# KiCad board PingDevKit-copy.kicad_pcb
title: Sonar Development Board
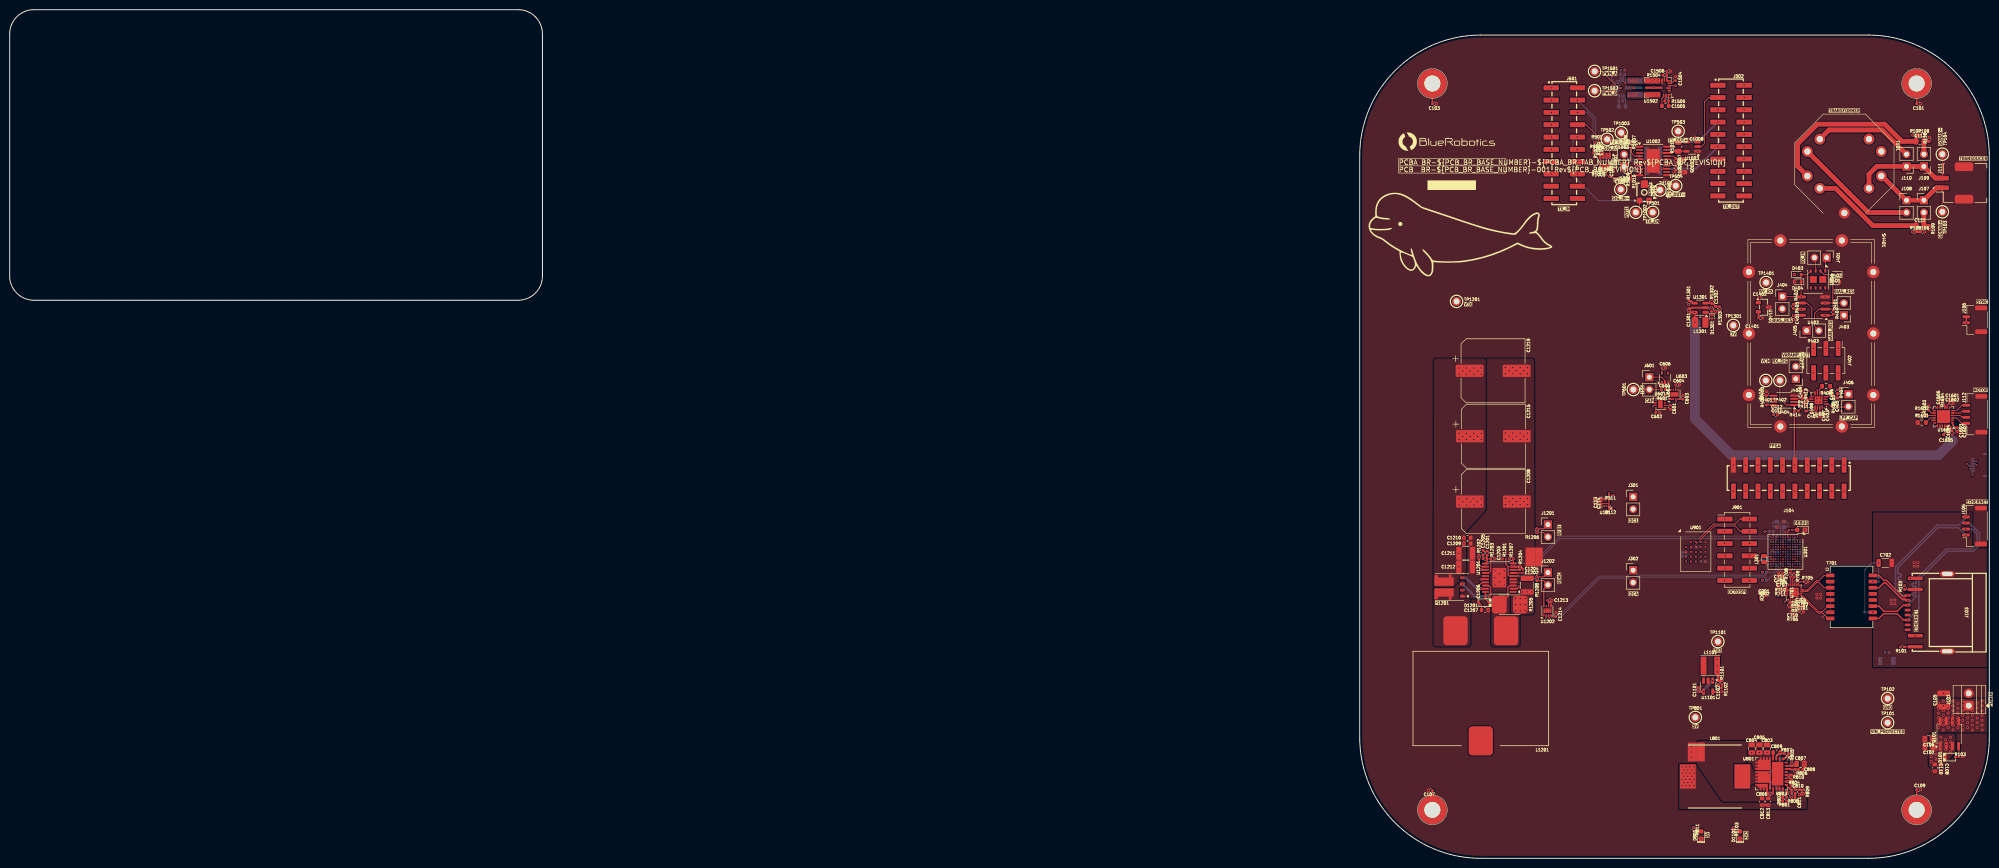
[diagram p0: board, top side]
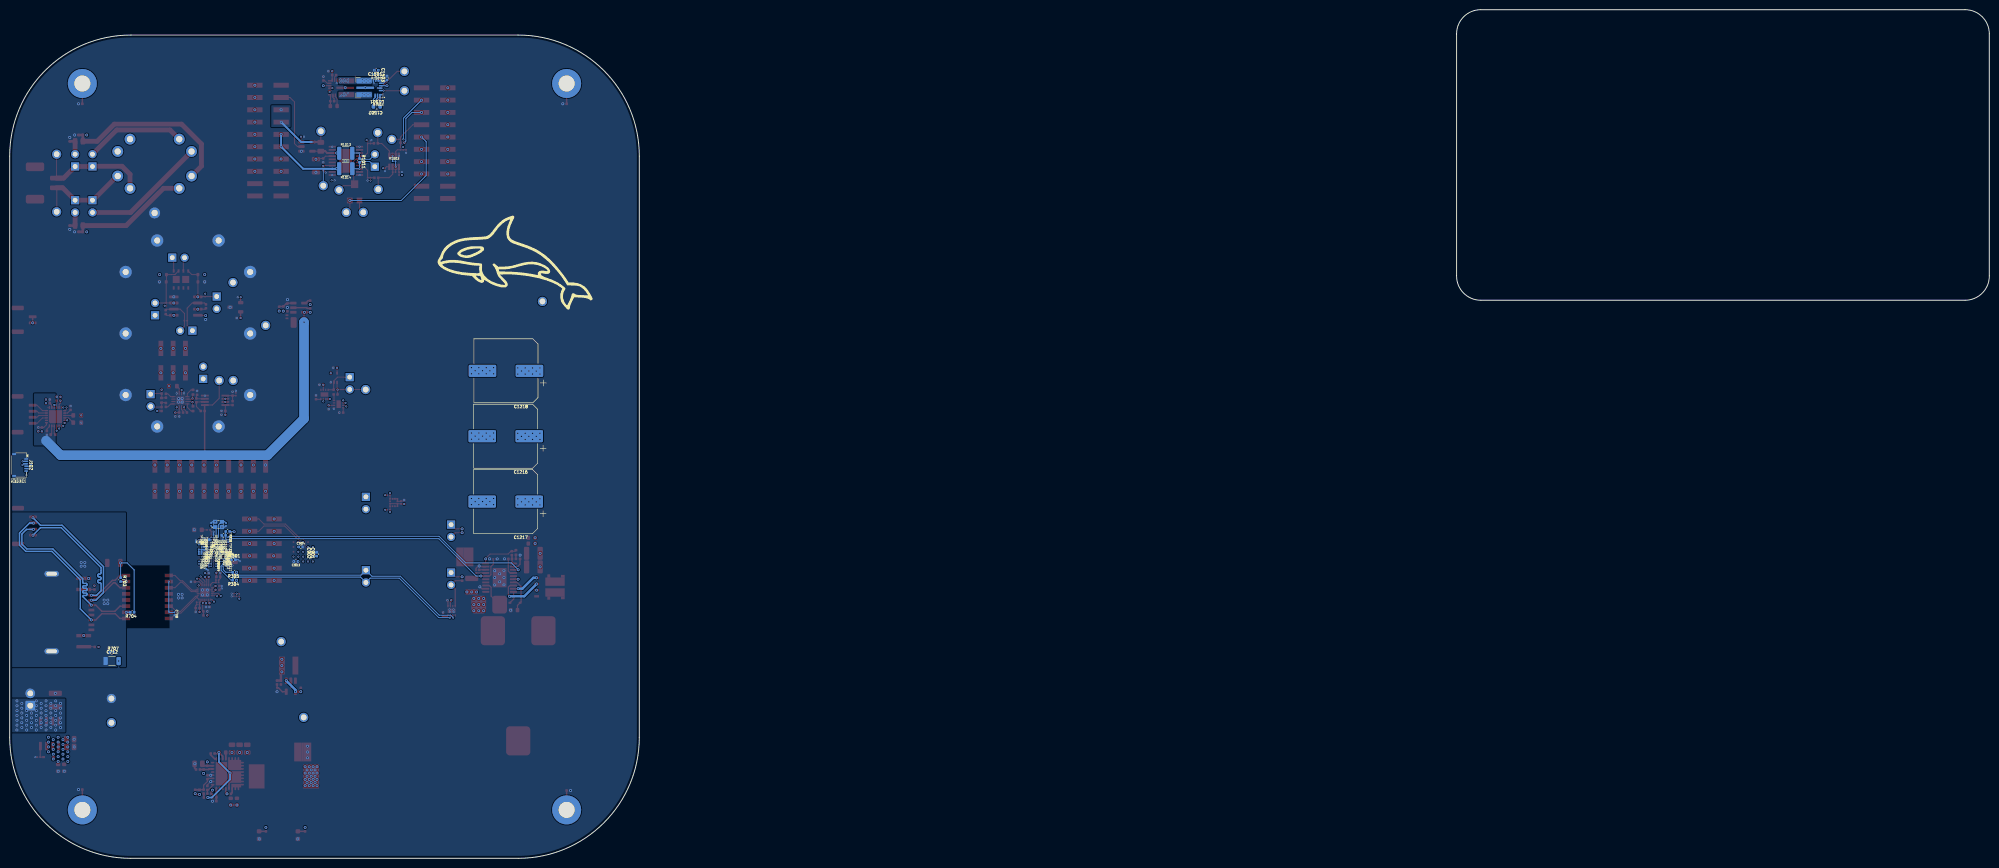
[diagram p1: board, bottom side, seen from below]

Outline 408.75 x 175.24 mm; copper layers: Top, PWR.Cu (plane), signal1.Cu, signal2.Cu, signal3.Cu, signal4.Cu, GND.Cu (plane), Bottom. Coordinates in mm from the lower left corner of the outline.
Outline path: 0,170.24 arc(1.46,173.77) 5,175.24 105,175.24 arc(108.54,173.77) 110,170.24 110,120.24 arc(108.54,116.7) 105,115.24 5,115.24 arc(1.46,116.7) 0,120.25 0,170.24 ; 278.75,145 278.75,25 arc(286.07,7.32) 303.75,0 383.75,0 arc(401.43,7.32) 408.75,25 408.75,144.98 arc(401.43,162.68) 383.75,170 303.75,170 arc(286.07,162.68) 278.75,145
Stack: Top 0.035mm / dielectric 0.218mm FR4-7628*1 er 4.4 / dielectric 0.203mm FR4-7628*1 er 4.4 / PWR.Cu 0.03mm / dielectric 0.075mm FR4 er 4.6 / signal1.Cu 0.03mm / dielectric 0.069mm FR4-1080*1 er 3.91 / dielectric 0.069mm FR4-1080*1 er 3.91 / signal2.Cu 0.03mm / dielectric 0.075mm FR4 er 4.6 / signal3.Cu 0.03mm / dielectric 0.069mm FR4-1080*1 er 3.91 / dielectric 0.069mm FR4-1080*1 er 3.91 / signal4.Cu 0.03mm / dielectric 0.075mm FR4 er 4.6 / GND.Cu 0.035mm / dielectric 0.203mm FR4-7628*1 er 4.4 / dielectric 0.218mm FR4-7628*1 er 4.4 / Bottom 0.035mm

## Placement (name value [footprint] x y rotation side)
C101  100nF 50V  [C_0402_1005Metric-minimized]  394.15 155.8 0 top
C102  2u2F 100V  [C_0805_2012Metric-minimized]  396.25 23 180 top
C103  100nF 50V  [C_0402_1005Metric-minimized]  294.15 155.8 0 top
C104  100nF 25V  [C_0201_0603Metric-minimized]  365.2 63.45 270 bottom
C105  10uF 100V  [C_1210_3225Metric]  399.32 32.68 90 top
C106  2u2F 100V  [C_0805_2012Metric-minimized]  396.25 24.6 180 top
C107  100nF 50V  [C_0402_1005Metric-minimized]  293.35 14 180 top
C108  220nF 100V  [C_0603_1608Metric-minimized]  398.75 18.7 270 top
C109  100nF 50V  [C_0402_1005Metric-minimized]  394.15 14.2 0 top
C110  220nF 100V  [C_0603_1608Metric-minimized]  397.5 18.7 270 top
C111  470nF 100V  [C_0805_2012Metric-minimized]  394.44 130.66 0 top
C112  470nF 100V  [C_0805_2012Metric-minimized]  394.44 148.06 0 top
C113  100nF 25V  [C_0201_0603Metric-minimized]  327.95 73.49 90 top
C114  1uF 50V  [C_0402_1005Metric-minimized]  327.3 73.58 270 top
C201  100nF 25V  [C_0201_0603Metric-minimized]  362.21 54.65 0 top
C301  10uF 10V  [C_0402_1005Metric-minimized]  362.55 61.64 180 bottom
C302  6pF 50V  [C_0201_0603Metric-minimized]  367.17 68.95 90 bottom
C303  10uF 10V  [C_0402_1005Metric-minimized]  364.57 66.68 0 bottom
C304  100nF 25V  [C_0201_0603Metric-minimized]  364.43 65.84 0 bottom
C305  4u7F 6V3  [C_0201_0603Metric-minimized]  363.92 61.79 0 bottom
C306  100nF 25V  [C_0201_0603Metric-minimized]  368.6 64.01 90 bottom
C307  6pF 50V  [C_0201_0603Metric-minimized]  364.07 68.95 270 bottom
C308  4u7F 6V3  [C_0201_0603Metric-minimized]  369.42 64.79 180 bottom
C309  100nF 25V  [C_0201_0603Metric-minimized]  366.15 65.51 270 bottom
C310  4u7F 6V3  [C_0201_0603Metric-minimized]  363.9 61.29 0 bottom
C311  100nF 25V  [C_0201_0603Metric-minimized]  369.35 61.3 180 bottom
C312  100nF 25V  [C_0201_0603Metric-minimized]  370 65.29 0 bottom
C313  10uF 10V  [C_0402_1005Metric-minimized]  367.95 65.79 180 bottom
C314  100nF 25V  [C_0201_0603Metric-minimized]  369.42 63.79 180 bottom
C315  100nF 25V  [C_0201_0603Metric-minimized]  369.15 66.06 270 bottom
C316  100pF 50V  [C_0201_0603Metric-minimized]  363.32 62.29 180 bottom
C317  100nF 25V  [C_0201_0603Metric-minimized]  363.37 60.79 180 bottom
C318  100nF 25V  [C_0201_0603Metric-minimized]  363.98 63.3 0 bottom
C319  100nF 25V  [C_0201_0603Metric-minimized]  363.9 65.29 0 bottom
C320  100nF 25V  [C_0201_0603Metric-minimized]  365.65 60.54 90 bottom
C321  100nF 25V  [C_0201_0603Metric-minimized]  366.65 66.53 90 bottom
C322  100nF 25V  [C_0201_0603Metric-minimized]  369.42 63.29 180 bottom
C323  100nF 25V  [C_0201_0603Metric-minimized]  369.42 62.79 180 bottom
C324  100nF 25V  [C_0201_0603Metric-minimized]  367.65 60.54 90 bottom
C325  100nF 25V  [C_0201_0603Metric-minimized]  368.15 60.02 270 bottom
C401  100nF 100V  [C_0402_1005Metric-minimized]  368.28 111.67 270 top
C402  200pF 50V  [C_0402_1005Metric]  377.4 94.57 90 top
C403  1uF 10V  [C_0402_1005Metric-minimized]  374.55 91.65 270 top
C404  47nF 50V  [C_0402_1005Metric-minimized]  372.55 92.05 180 top
C405  15nF  [C_0402_1005Metric-minimized]  376.5 93.62 270 top
C406  15nF  [C_0402_1005Metric-minimized]  376.5 95.52 90 top
C407  100nF 50V  [C_0402_1005Metric-minimized]  373.75 91.65 270 top
C408  3.9pF 50V  [C_0402_1005Metric]  370.9 92.84 270 top
C409  3.9pF 50V  [C_0402_1005Metric]  370.9 96.25 90 top
C410  1uF 16V  [C_0201_0603Metric-minimized]  362.05 95.83 90 top
C411  1uF 10V  [C_0402_1005Metric-minimized]  364.62 91.6 0 top
C412  100nF 50V  [C_0402_1005Metric-minimized]  364.62 92.4 0 top
C601  100nF 50V  [C_0402_1005Metric-minimized]  342.89 93.14 270 top
C602  4u7F 10V  [C_0402_1005Metric-minimized]  340.29 92.04 180 top
C603  4u7F 10V  [C_0402_1005Metric-minimized]  345.5 95.19 270 top
C604  100nF 50V  [C_0402_1005Metric-minimized]  344.4 97.79 0 top
C605  330nF 16V  [C_0402_1005Metric-minimized]  341.45 96.79 0 top
C606  100nF 50V  [C_0402_1005Metric-minimized]  341.55 101.29 0 top
C701  10uF 10V  [C_0402_1005Metric-minimized]  369.95 50.89 0 top
C702  1nF 2kV  [C_1206_3216Metric-minimized]  387.25 61 0 top
C703  1uF 10V  [C_0402_1005Metric-minimized]  369.95 51.69 0 top
C704  100nF 25V  [C_0201_0603Metric-minimized]  369.85 52.89 0 top
C705  10nF 25V  [C_0201_0603Metric-minimized]  369.85 52.39 0 top
C706  10nF 25V  [C_0201_0603Metric-minimized]  365.89 57.45 180 top
C707  100nF 25V  [C_0201_0603Metric-minimized]  365.89 56.95 180 top
C708  100nF 25V  [C_0201_0603Metric-minimized]  374.75 50.5 270 bottom
C709  1uF 10V  [C_0402_1005Metric-minimized]  365.67 58.15 180 top
C710  1uF 10V  [C_0402_1005Metric-minimized]  368.35 50.99 180 top
C711  10uF 10V  [C_0402_1005Metric-minimized]  365.67 58.95 180 top
C712  1nF 2kV  [C_1206_3216Metric-minimized]  387.6 40.75 180 bottom
C803  2u2F 100V  [C_0805_2012Metric-minimized]  362.85 22.65 90 top
C804  2u2F 100V  [C_0805_2012Metric-minimized]  359.7 22.65 90 top
C805  2u2F 100V  [C_0805_2012Metric-minimized]  361.28 22.65 90 top
C806  4u7F 10V  [C_0402_1005Metric-minimized]  363.48 13.31 180 top
C807  1uF 100V  [C_0805_2012Metric-minimized]  369.77 19.51 0 top
C808  2u2F 10V  [C_0402_1005Metric-minimized]  369.87 18.34 0 top
C809  100nF 100V  [C_0603_1608Metric-minimized]  364.85 21.85 0 top
C810  100nF 100V  [C_0402_1005Metric-minimized]  368.71 13.78 90 top
C811  4n7F 100V  [C_0402_1005Metric]  369.55 13.67 90 top
C812  10uF 10V  [C_0603_1608Metric-minimized]  361.83 11.7 90 top
C813  10uF 10V  [C_0603_1608Metric-minimized]  363.1 11.7 90 top
C901  1uF 10V  [C_0402_1005Metric-minimized]  345.35 62.79 90 bottom
C902  100nF 50V  [C_0402_1005Metric-minimized]  346.15 62.79 90 bottom
C903  100nF 50V  [C_0402_1005Metric-minimized]  349.65 61.29 0 bottom
C904  100nF 50V  [C_0402_1005Metric-minimized]  348.65 64.29 180 bottom
C1001  100nF 25V  [C_0201_0603Metric-minimized]  328.05 146.58 270 top
C1002  100nF 25V  [C_0201_0603Metric-minimized]  331.25 142.2 90 top
C1003  100nF 100V  [C_0402_1005Metric-minimized]  333.15 147.64 180 top
C1004  100nF 100V  [C_0402_1005Metric-minimized]  333.05 140.54 180 top
C1005  4u7F 100V  [C_1206_3216Metric-minimized]  345.51 143.02 270 top
C1006  100nF 100V  [C_0402_1005Metric-minimized]  344.01 142.52 270 top
C1007  100nF 100V  [C_0402_1005Metric-minimized]  344.01 144.12 270 top
C1008  100nF 25V  [C_0201_0603Metric-minimized]  348.3 149.02 180 top
C1101  10uF 10V  [C_0402_1005Metric-minimized]  348.65 34.8 90 top
C1102  10uF 10V  [C_0402_1005Metric-minimized]  352.75 36.3 270 top
C1201  10nF 50V  [C_0402_1005Metric-minimized]  305.07 63 90 top
C1202  10uF 100V  [C_1210_3225Metric]  313.35 56.4 90 top
C1203  470nF 16V  [C_0402_1005Metric-minimized]  306.19 61.84 180 top
C1204  100nF 25V  [C_0201_0603Metric-minimized]  312.46 59.22 270 top
C1205  22nF 50V  [C_0402_1005Metric]  304.23 63.14 90 top
C1206  1uF 50V  [C_0402_1005Metric-minimized]  305.09 54.05 180 top
C1207  10uF 16V  [C_0603_1608Metric-minimized]  304.6 51.25 0 top
C1208  220uF 100V  [C_Elec_12.5x12.5]  306.33 73.66 0 top
C1209  100nF 100V  [C_0603_1608Metric-minimized]  300.97 64.99 180 top
C1210  100nF 100V  [C_0603_1608Metric-minimized]  300.97 66.19 0 top
C1211  10uF 100V  [C_1210_3225Metric]  300.63 62.98 0 top
C1212  10uF 100V  [C_1210_3225Metric]  300.63 60.18 0 top
C1213  100nF 50V  [C_0402_1005Metric-minimized]  317.98 53.28 0 top
C1214  4u7F 10V  [C_0402_1005Metric-minimized]  319.27 50.36 90 top
C1215  220uF 100V  [C_Elec_12.5x12.5]  306.33 87.16 0 top
C1216  220uF 100V  [C_Elec_12.5x12.5]  306.33 87.16 0 bottom
C1217  220uF 100V  [C_Elec_12.5x12.5]  306.33 73.66 0 bottom
C1218  220uF 100V  [C_Elec_12.5x12.5]  306.28 100.66 0 bottom
C1219  220uF 100V  [C_Elec_12.5x12.5]  306.28 100.66 0 top
C1301  2u2F 10V  [C_0402_1005Metric-minimized]  346.7 113.15 90 top
C1302  330pF 50V  [C_0402_1005Metric]  352.25 113.48 270 top
C1303  10uF 10V  [C_0402_1005Metric-minimized]  351.4 113.35 90 top
C1401  330nF 16V  [C_0402_1005Metric-minimized]  361.48 111.57 0 top
C1402  100nF 25V  [C_0201_0603Metric-minimized]  361.36 115.87 0 top
C1501  1uF 10V  [C_0402_1005Metric-minimized]  333.05 162.74 0 bottom
C1502  100nF 100V  [C_0603_1608Metric-minimized]  332.95 155.24 0 bottom
C1503  100nF 50V  [C_0402_1005Metric-minimized]  330.84 161.12 90 bottom
C1504  100nF 50V  [C_0402_1005Metric-minimized]  343.97 161.02 90 top
C1505  100nF 100V  [C_0603_1608Metric-minimized]  341.85 155.34 0 top
C1506  1uF 10V  [C_0402_1005Metric-minimized]  342.55 162.54 0 top
C1601  2u2F 10V  [C_0402_1005Metric-minimized]  400.87 94.75 0 top
C1602  10nF 50V  [C_0402_1005Metric-minimized]  400.87 93.97 0 top
C1603  10nF 50V  [C_0402_1005Metric-minimized]  402.09 88.57 270 top
C1604  220nF 25V  [C_0402_1005Metric-minimized]  401.08 87.85 90 top
C1605  22nF 50V  [C_0402_1005Metric]  399.8 87.5 180 top
C1606  1uF 10V  [C_0402_1005Metric-minimized]  399.04 94.9 90 top
C1607  2u2F 10V  [C_0402_1005Metric-minimized]  402.84 88.57 270 top
D101  10V  [D_SOD-323]  400.7 20.9 0 top
D301  DEBUG  [LED_0603_1608Metric]  369.87 67.83 180 top
D401  RB520S-30  [D_SOD-523]  377.08 120.54 180 top
D402  RB520S-30  [D_SOD-523]  377.13 119.04 0 top
D403  RB520S-30  [D_SOD-523]  369.18 120.54 0 top
D404  RB520S-30  [D_SOD-523]  369.18 119.04 180 top
D801  5V  [LED_0603_1608Metric]  349.25 4.79 90 top
D1101  3V3  [LED_0603_1608Metric]  357.25 4.79 90 top
D1201  BAS20H  [D_SOD-323]  304.41 52.77 180 top
D1301  PMEG3010AESB  [D_SOD-993-minimized]  351.5 111.83 270 top
G***  -  [LOGO]  299.51 128.98 0 top
G***#2  -  [LOGO]  304.45 122.9 0 top
GL101  ~  [BR_Logo_BIG]  296.75 148 0 top
GL102  ~  [JLC_Number]  297.75 139 0 top
H101  -  [M3_Clearance_Plated_6mm]  393.75 160 0 top
H102  -  [M3_Clearance_Plated_6mm]  293.75 160 0 top
H103  -  [M3_Clearance_Plated_6mm]  293.75 10 0 top
H104  -  [M3_Clearance_Plated_6mm]  393.75 10 0 top
J101  POWER  [KF128-2.54-2P]  404.5 31.53 90 top
J102  DEBUG  [TE_2328702-6_1x06-1MP_P0.5mm_Horizontal]  406.84 81.22 270 bottom
J103  ETHERNET  [RJ45-TH_RC01812]  395.98 50.75 270 top
J104  FPGA  [HDR-SMD_20P-P2.54-V-M-R2-C10-S7.5]  367.34 78.51 180 top
J105  ETHERNET  [SM04B-GHS-TB]  406.18 68.62 90 top
J106  SYNC  [SM02B-GHS-TB]  406.25 111.2 90 top
J107  SONAR+  [PinHeader_1x02_P2.54mm_Vertical]  395.24 135.9 0 top
J108  SONAR+  [PinHeader_1x02_P2.54mm_Vertical]  391.66 135.9 0 top
J109  SONAR-  [PinHeader_1x02_P2.54mm_Vertical]  395.24 142.86 180 top
J110  SONAR-  [PinHeader_1x02_P2.54mm_Vertical]  391.66 142.86 180 top
J111  TRANSDUCER  [SM02B-PASS-TBT]  403.77 139.46 90 top
J112  MOTOR  [SM04B-GHS-TB]  406.27 91.7 90 top
J301  I2C1  [PinHeader_1x02_P2.54mm_Vertical]  335.2 74.64 0 top
J302  I2C4  [PinHeader_1x02_P2.54mm_Vertical]  335.2 59.5 0 top
J401  RX_IN  [PinHeader_1x02_P2.54mm_Vertical]  375.18 124.04 270 top
J402  PREAMP  [PinHeader_2x03_P2.54mm_Vertical_SMD]  375 102.77 270 top
J403  BIAS_RES  [PinHeader_1x02_P2.54mm_Vertical]  378.73 112.13 180 top
J404  BIAS_RES  [PinHeader_1x02_P2.54mm_Vertical]  366.01 116.01 0 top
J405  GAIN_RES  [PinHeader_1x02_P2.54mm_Vertical]  371.02 108.96 90 top
J406  LPF_CAP  [PinHeader_1x02_P2.54mm_Vertical]  379.65 95.85 0 top
J407  VARAMP_OUT  [PinHeader_1x02_P2.54mm_Vertical]  368.8 99 180 top
J501  TX_IN  [HDR-SMD_20P-P2.54-V-M-R2-C10-S7.5]  321 147.67 270 top
J502  TX_OUT  [HDR-SMD_20P-P2.54-V-M-R2-C10-S7.5]  355.42 148.21 270 top
J601  CAP  [PinHeader_1x02_P2.54mm_Vertical]  338.55 99.36 0 top
J901  OCTOSPI  [PinHeader_2x06_P2.54mm_Vertical_SMD]  356.68 63.72 0 top
J1001  TX_OUT_GAIN  [PinHeader_1x02_P2.54mm_Vertical]  333.35 142.82 180 top
J1201  RFBT  [PinHeader_1x02_P2.54mm_Vertical]  317.62 68.9 0 top
J1202  RDAC  [PinHeader_1x02_P2.54mm_Vertical]  317.62 59 0 top
L301  2u2H 2.2A  [LMSC20120652R2MTA]  362.25 61.79 90 top
L801  10uH 10A  [XR1265-100M]  352.12 16.9 180 top
L1101  2u2 2.2A  [L_Taiyo-Yuden_NR-4018]  351.15 39.8 0 top
L1201  10uH 30A  [FC-SE2918-100M-28A]  303.75 33 180 top
L1301  4u7 1.6A  [L_1008_2520Metric]  349.05 110.65 0 top
NT801  NetTie-2_0.18mm  [NetTie-2_SMD_Pad_3.88mm_wide]  349.25 21.95 270 top
NT1101  NetTie-2_0.18mm  [NetTie-2_SMD_Pad_0.18mm_wide]  350.7 35.2 270 top
NT1201  Net_Tie_0201  [NetTie-2_SMD_Pad_3.88mm_wide]  313.77 62.24 90 top
NT1501  NetTie-2_0.18mm  [NetTie-2_SMD_Pad_0.18mm_wide_long]  337.4 161.44 90 top
NT1601  NetTie-2_0.18mm  [NetTie-2_SMD_Pad_0.18mm_wide]  400.85 93.1 0 top
PCB101  Unpopulated PCB  [BR_NUMS]  297.75 143 0 top
Q101  DMP6023LSS-13  [SO-8_3.9x4.9mm_P1.27mm]  400.5 25.75 90 top
Q1201  SQJ974EP  [PowerPAK_SO-8_Dual]  297.28 56.01 180 top
R101  1k  [C_0402_1005Metric-minimized]  390.8 43.65 180 top
R102  1k  [C_0402_1005Metric-minimized]  391.25 55.9 90 top
R103  47k  [R_0201_0603Metric-minimized]  402.75 20.9 0 top
R104  10k  [R_0201_0603Metric-minimized]  364.38 63.8 0 bottom
R105  100k  [C_0402_1005Metric-minimized]  393.24 129.36 0 top
R106  100k  [C_0402_1005Metric-minimized]  394.94 129.36 0 top
R107  100k  [C_0402_1005Metric-minimized]  393.24 149.36 0 top
R108  100k  [C_0402_1005Metric-minimized]  394.94 149.36 0 top
R109  100k  [C_0402_1005Metric-minimized]  396.34 130.26 270 top
R110  100k  [C_0402_1005Metric-minimized]  396.34 148.46 90 top
R111  10k  [R_0201_0603Metric-minimized]  330.53 74.98 180 top
R112  10k  [R_0201_0603Metric-minimized]  330.53 71.98 180 top
R201  47k  [R_0201_0603Metric-minimized]  361.34 54.32 270 top
R202  3k  [R_0201_0603Metric-minimized]  362.21 54.1 0 top
R301  10R  [R_0402_1005Metric-minimized]  363.75 67.5 0 bottom
R302  10k  [R_0201_0603Metric-minimized]  368.1 64.03 270 bottom
R303  3k  [R_0201_0603Metric-minimized]  367.7 67.83 0 top
R304  10k  [C_0402_1005Metric-minimized]  362.3 57.43 0 bottom
R305  10k  [C_0402_1005Metric-minimized]  362.3 59.08 0 bottom
R401  100R  [C_0201_0603Metric-minimized]  376.43 114.4 270 top
R402  100R  [C_0201_0603Metric-minimized]  368.38 116.29 270 top
R403  100R  [C_0201_0603Metric-minimized]  372.38 111.04 180 top
R404  470R  [C_0402_1005Metric-minimized]  376.53 112.79 270 top
R405  470R  [C_0402_1005Metric-minimized]  368.23 113.99 270 top
R406  75R  [C_0402_1005Metric-minimized]  377.39 92.77 90 top
R407  75R  [C_0402_1005Metric-minimized]  377.39 96.37 270 top
R408  0R  [R_0603_1608Metric]  375.05 97.5 180 top
R409  1k  [C_0402_1005Metric-minimized]  362.72 94 90 top
R410  1k  [C_0402_1005Metric-minimized]  362.72 95.95 90 top
R411  1k  [C_0402_1005Metric-minimized]  370.6 94.17 180 top
R412  1k  [C_0402_1005Metric-minimized]  370.6 94.97 180 top
R413  2k  [C_0402_1005Metric-minimized]  370.05 96.12 270 top
R414  2k  [C_0402_1005Metric-minimized]  368.89 92.37 180 top
R501  20k  [R_0201_0603Metric-minimized]  327.77 148.47 0 top
R502  2k  [C_0402_1005Metric-minimized]  327.65 147.77 180 top
R601  100k  [C_0402_1005Metric-minimized]  341.45 95.79 180 top
R701  2k49  [C_0402_1005Metric-minimized]  368.2 52.29 270 top
R702  2k49  [C_0402_1005Metric-minimized]  367.5 52.29 270 top
R703  75R  [C_0402_1005Metric-minimized]  385.85 57.55 270 bottom
R704  75R  [C_0402_1005Metric-minimized]  383.45 50.8 0 bottom
R705  6k49  [C_0402_1005Metric-minimized]  370.92 57.11 0 top
R706  30k  [C_0402_1005Metric-minimized]  368.35 50.15 180 top
R707  1M  [C_0402_1005Metric-minimized]  387.65 42.5 180 bottom
R708  2k49  [C_0402_1005Metric-minimized]  367.65 58.49 90 top
R709  2k49  [C_0402_1005Metric-minimized]  368.4 58.5 270 top
R710  2k49  [C_0402_1005Metric-minimized]  365.85 56.23 180 top
R711  2k49  [C_0402_1005Metric-minimized]  365.85 55.43 180 top
R801  20k  [C_0402_1005Metric-minimized]  366.47 12.6 180 top
R802  10k  [C_0402_1005Metric-minimized]  366.47 11.79 0 top
R803  100k  [C_0402_1005Metric-minimized]  367.54 13.36 0 top
R804  51k  [C_0402_1005Metric-minimized]  367.94 14.53 90 top
R805  2R2  [R_0402_1005Metric-minimized]  367.94 19.51 90 top
R806  2R2  [R_0402_1005Metric-minimized]  368.71 17.94 90 top
R807  2k2  [R_0402_1005Metric-minimized]  366.85 21.65 0 top
R808  24k9  [C_0402_1005Metric-minimized]  368.25 12.55 180 top
R809  4k99  [C_0402_1005Metric-minimized]  370.45 13.75 90 top
R810  681R  [C_0402_1005Metric-minimized]  367.92 16.75 90 top
R811  3k  [C_0402_1005Metric-minimized]  347.75 5.98 270 top
R1001  1M  [R_0201_0603Metric-minimized]  327.5 146.58 270 top
R1002  1M  [R_0201_0603Metric-minimized]  326.9 146 270 top
R1003  10k  [R_0201_0603Metric-minimized]  329.38 143.93 180 bottom
R1004  1M  [R_0201_0603Metric-minimized]  328.07 141.1 0 top
R1005  1M  [R_0201_0603Metric-minimized]  328.07 141.7 180 top
R1006  10k  [R_0201_0603Metric-minimized]  329.37 141.7 0 top
R1007  100k  [R_0201_0603Metric-minimized]  334.85 147.88 270 top
R1008  100k  [R_0201_0603Metric-minimized]  334.25 147.88 90 top
R1009  100k  [R_0201_0603Metric-minimized]  334.25 140.26 90 top
R1010  100k  [R_0201_0603Metric-minimized]  334.85 140.26 270 top
R1011  200R  [C_0402_1005Metric-minimized]  336.51 144.12 270 bottom
R1012  50k  [RES-ADJ-SMD_3P-L3.8-W3.7_VGF39NCHXT]  337.51 137.52 270 top
R1013  1k  [C_1210_3225Metric-minimized]  339.35 145.6 180 bottom
R1014  1k  [C_1210_3225Metric-minimized]  339.35 142.4 0 bottom
R1015  10mR  [R_0805_2012Metric]  344.51 146.93 90 top
R1101  45k3  [C_0402_1005Metric-minimized]  353.55 36.3 270 top
R1102  10k  [R_0201_0603Metric-minimized]  353.55 34.92 270 top
R1103  1k3  [C_0402_1005Metric-minimized]  355.85 5.98 270 top
R1201  1k  [R_0201_0603Metric-minimized]  308.63 61.84 180 top
R1202  68k1  [C_0402_1005Metric-minimized]  303.37 62.22 270 top
R1203  2k2  [R_0402_1005Metric-minimized]  304.63 61.84 180 top
R1204  75k  [R_0402_1005Metric-minimized]  311.82 59.98 90 top
R1205  3mR  [R_2512_6332Metric]  309.74 52.39 180 top
R1206  137k  [C_0402_1005Metric-minimized]  315.33 67.63 270 top
R1207  10k  [C_0402_1005Metric-minimized]  310.05 61.84 180 top
R1208  24k9  [C_0402_1005Metric-minimized]  315.33 57.73 270 top
R1301  51k  [C_0402_1005Metric-minimized]  346.7 114.75 90 top
R1302  13.3k  [C_0402_1005Metric-minimized]  351.4 114.95 90 top
R1303  62k  [C_0402_1005Metric-minimized]  353.1 113.5 270 top
R1502  2R2  [R_0402_1005Metric-minimized]  333.05 161.84 0 bottom
R1503  2R2  [R_0402_1005Metric-minimized]  332.65 156.34 0 bottom
R1504  2R2  [R_0402_1005Metric-minimized]  341.75 161.74 0 top
R1505  2R2  [R_0402_1005Metric-minimized]  342.15 156.34 0 top
R1601  0R  [R_0603_1608Metric]  394.8 89.97 0 top
R1602  0R  [R_0603_1608Metric]  394.8 91.47 0 top
R1603  330k  [C_0402_1005Metric-minimized]  396.18 93 90 top
R1604  10k  [C_0402_1005Metric-minimized]  398.27 94.9 270 top
SH401  -  [44-CBSA-1.0X1.5X0.4]  384.8 127.58 270 top
T101  TRANSFORMER  [B65655B0010X000]  378.82 143.43 270 top
T701  HR641680E  [H1102FNL]  380.3 53.98 270 top
TH101  10k 3380K  [R_0201_0603Metric-minimized]  341.97 140 180 top
TP101  VIN_PROTECTED  [TEST-TH_BD2.54-P1.4_RED]  387.75 28 0 top
TP102  GND  [TEST-TH_BD2.54-P1.4_RED]  387.75 33 0 top
TP103  SONAR+  [TEST-TH_BD2.54-P1.4_RED]  399.05 133.5 0 top
TP104  SONAR-  [TEST-TH_BD2.54-P1.4_RED]  399.05 145.4 0 top
TP301  TP_ROUND_TH_300um  [TP_ROUND_SMT_300um]  367.15 66.29 90 bottom
TP302  TP_ROUND_TH_300um  [TP_ROUND_SMT_300um]  369.15 60.79 270 bottom
TP303  TP_ROUND_TH_300um  [TP_ROUND_SMT_300um]  368.65 61.29 270 bottom
TP304  TP_ROUND_TH_300um  [TP_ROUND_SMT_300um]  368.15 61.79 270 bottom
TP305  TP_ROUND_TH_300um  [TP_ROUND_SMT_300um]  368.65 64.79 270 bottom
TP306  TP_ROUND_TH_300um  [TP_ROUND_SMT_300um]  369.65 60.79 270 bottom
TP307  TP_ROUND_TH_300um  [TP_ROUND_SMT_300um]  369.15 65.29 270 bottom
TP308  TP_ROUND_TH_300um  [TP_ROUND_SMT_300um]  369.65 65.79 270 bottom
TP309  TP_ROUND_TH_300um  [TP_ROUND_SMT_300um]  365.65 64.79 270 bottom
TP310  TP_ROUND_TH_300um  [TP_ROUND_SMT_300um]  364.65 64.79 270 bottom
TP311  TP_ROUND_TH_300um  [TP_ROUND_SMT_300um]  363.65 60.29 270 bottom
TP312  TP_ROUND_TH_300um  [TP_ROUND_SMT_300um]  364.65 61.29 270 bottom
TP313  TP_ROUND_TH_300um  [TP_ROUND_SMT_300um]  364.15 60.79 270 bottom
TP314  TP_ROUND_TH_300um  [TP_ROUND_SMT_300um]  364.15 60.29 90 bottom
TP315  TP_ROUND_TH_300um  [TP_ROUND_SMT_300um]  364.65 60.29 90 bottom
TP316  TP_ROUND_TH_300um  [TP_ROUND_SMT_300um]  364.65 60.79 90 bottom
TP317  TP_ROUND_TH_300um  [TP_ROUND_SMT_300um]  363.65 65.8 270 bottom
TP318  TP_ROUND_TH_300um  [TP_ROUND_SMT_300um]  363.65 66.3 270 bottom
TP319  TP_ROUND_TH_300um  [TP_ROUND_SMT_300um]  366.15 60.29 270 bottom